# Altium PCB RGV_Control_1V21_unpoly.PcbDoc (part 2 of 5) (continued)
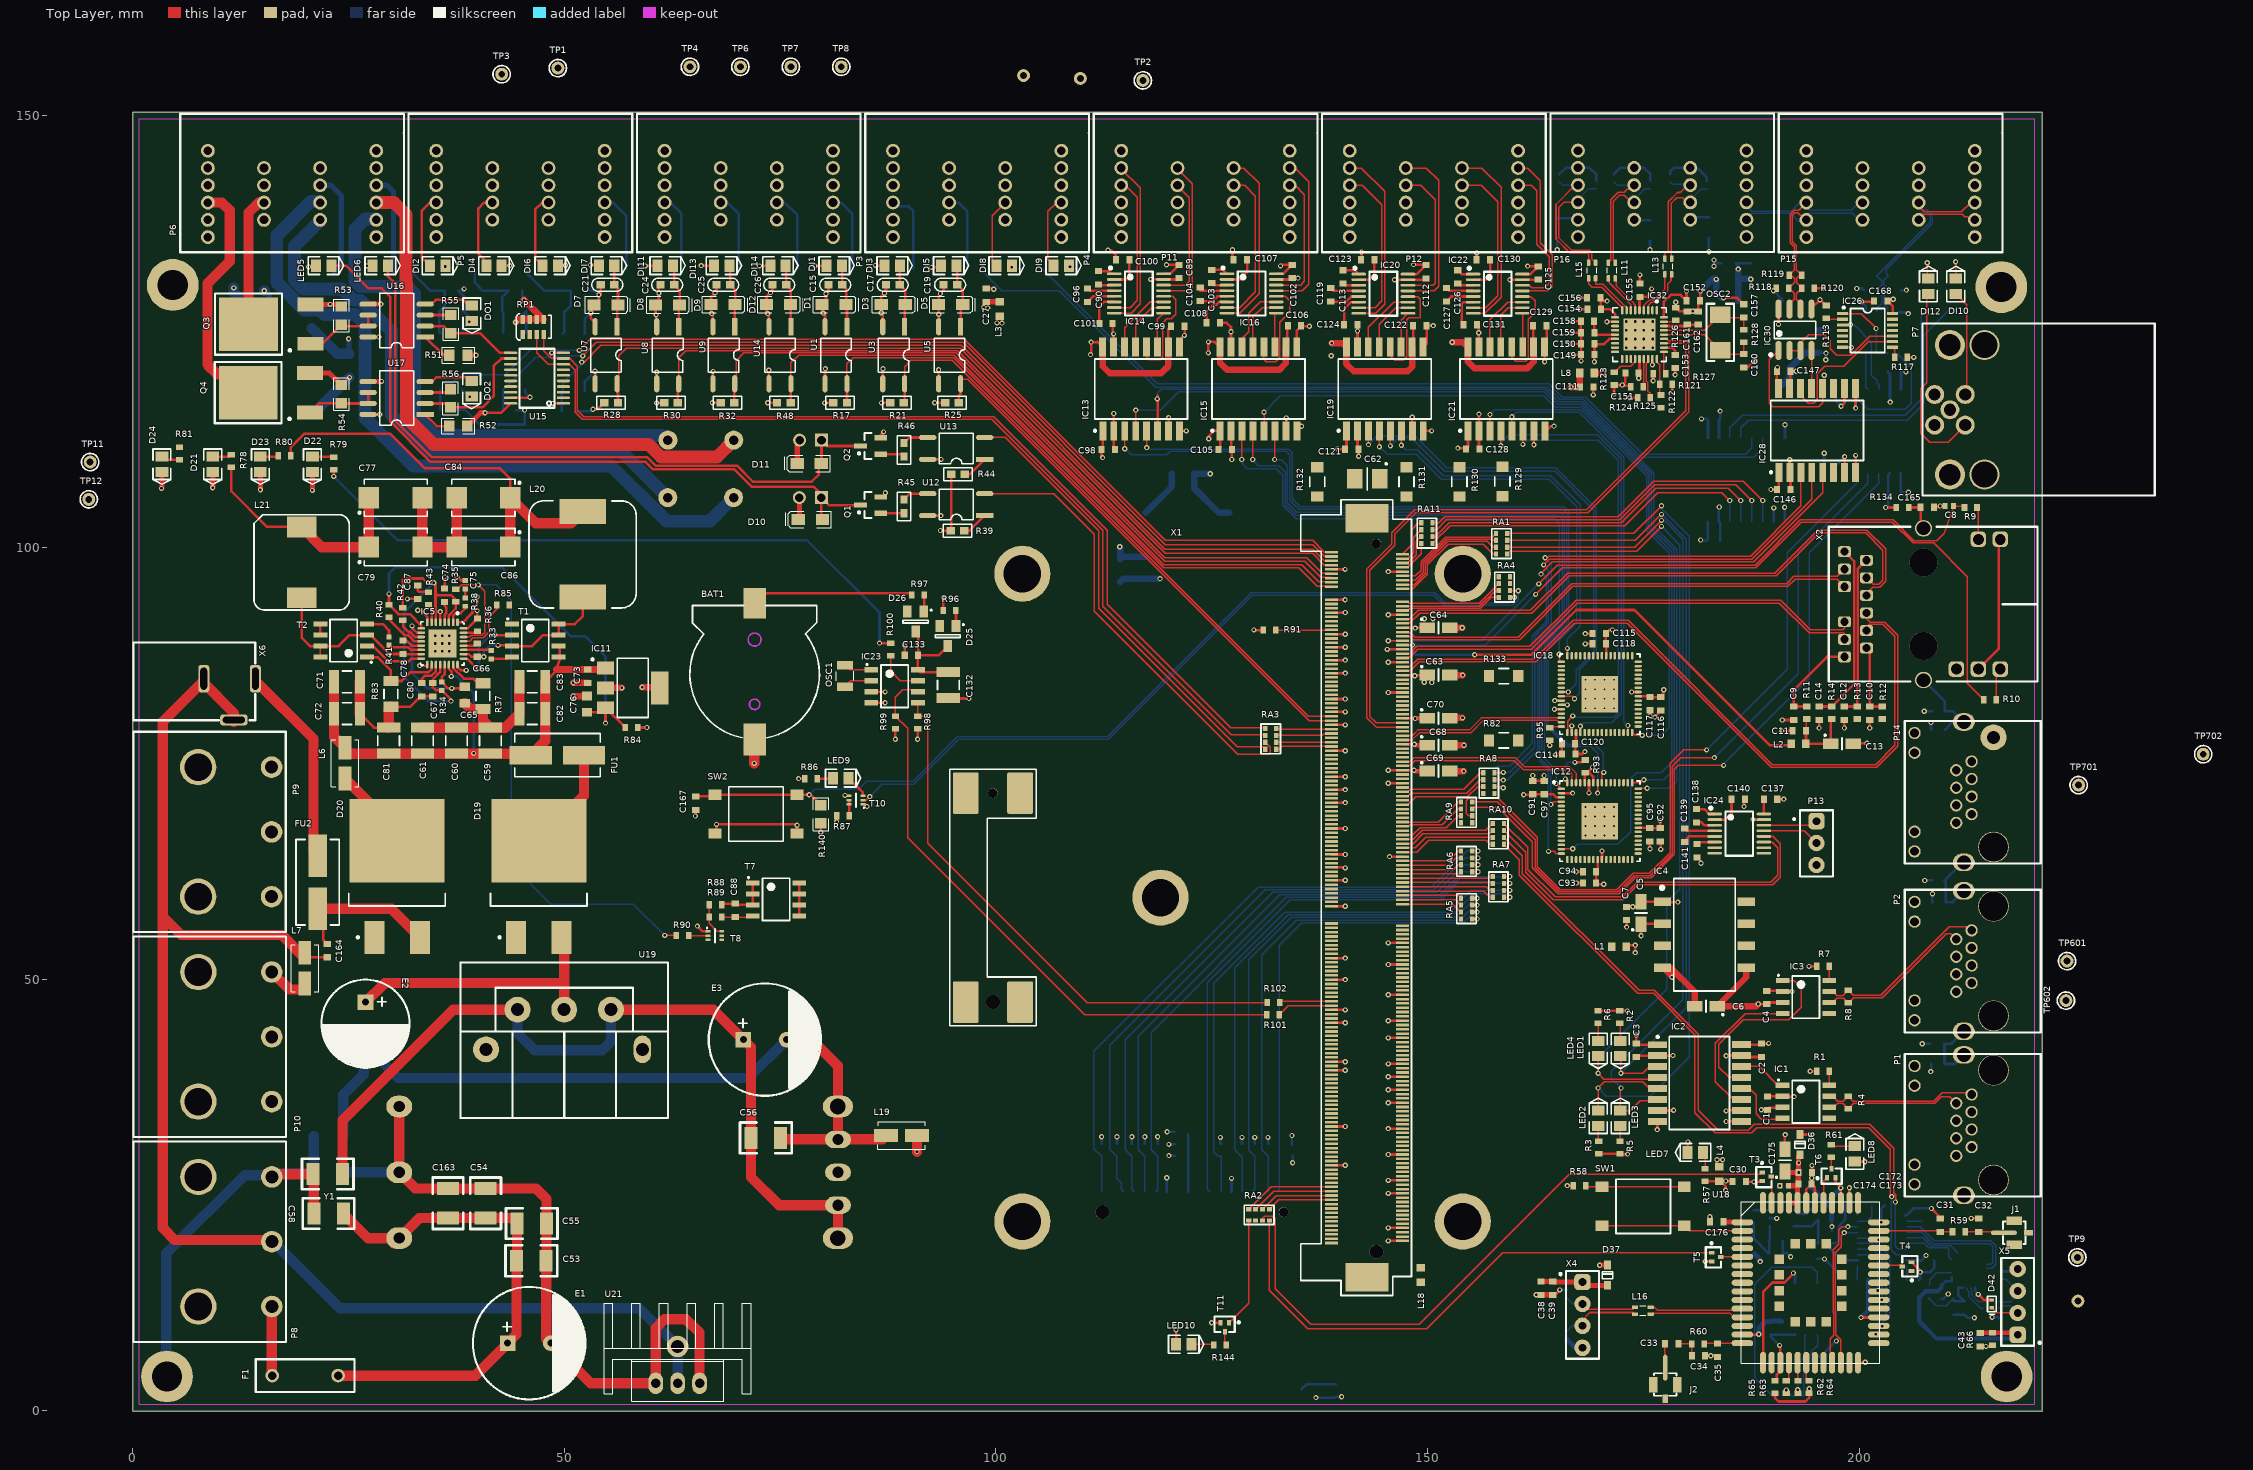
[diagram p0: Top Layer view]
## Part data (continued)
IC14 IC16 IC20 IC22 IC24: library part IC-MAXIM-MAX3232, "RS232"
IC23: library part IC-ST-M41T0M6, "RTC M41T0M6", Manufacturer Name=ST, Manufacturer Part No.=M41T0M6
IC25 IC28: library part IC-AD-ADuM1301ARW, "Digital Isolator", Manufacturer Name="Analog Devices", Manufacturer Part No.=ADuM1301ARW
IC26: library part IC-ST-M74HC02TTR, "Quad 2-Input NOR Gate", Manufacturer Name="ON Semiconductor", Manufacturer Part No.=MM74HC02
IC27 IC30: library part IC-AD-ADM3485EARZ, "ADM3485EARZ RS-485/RS-422 transceiver", Manufacturer Name="Analog Devices", Manufacturer Part No.=ADM3485EARZ
IC32: library part IC-SMSC-USB2514B-AEZC, "4 Port USB HUB", Manufacturer Name=SMSC, Manufacturer Part No.=USB2514B-AEZC
J1 J2: library part ANTENNA, "Generic Antenna"
L1 L2 L3 L4 L8 L9 L10 L17 L18: library part L-220R@100MHz-2A-25%-0603, "220R@100MHz 2A EMI FILTER", Rating=2A, Tolerance=25%
L5 L11 L13 L15 L16: library part L-Murata-DLW21SN900SQ2-90R@100MHz-330mA-25%, "Common Mode Choke High Speed 90R 330mA", Manufacturer Name=Murata, Manufacturer Part No.=DLW21SN900SQ2, Rating=330mA, Tolerance=25%
L6 L7 L19: library part L-Laird-35F0121-0SR-10-10A-25%, "Power Supply FB 10A", Rating=10A, Tolerance=25%
L20: library part L-Wurth-744771008-8.2uH-6.25A-20%, "Inductance 8.2uH 6.25A 20%", Manufacturer Name=Wurth, Manufacturer Part No.=744771008, Rating=6.25A, Tolerance=20%
L21: library part L-Wurth-7447797470-4.7uH-6.2A-20%, "Inductance 4.7uH 6.2A 20%", Manufacturer Name=Wurth, Manufacturer Part No.=7447797470, Rating=6.2A, Tolerance=20%
LED9: library part "LED-Osram-LS T670-K1L2-1", "LED red, Osram LS T670-K1L2-1", Color=RED, Manufacturer Name=Osram, Manufacturer Part No.="LS T670-K1L2-1"
OSC1: library part OSC-MC-CC4V-T1A-32.768KHz-30ppm-5x1.9mm, "Quartz 32.768kHz", Manufacturer Name="Micro Crystal", Tolerance=30ppm, Manufacturer Part No.=CC4V-T1A
OSC2: library part OSC-HORIZON-HEX24-24000MHz-18-50R-F-H2-T2-W2-T, "Quartz 24.0 MHz", Manufacturer Name=HORIZON, Tolerance=30ppm, Manufacturer Part No.=HEX24-24000MHz-18-50R-F-H2-T2-W2-T
P1 P2 P14: library part CON-TECon-8Header, "网口"
P3 P4: library part "Header 16H", "泰科4P端子", LatestRevisionDate=17-Jul-2002, LatestRevisionNote="Re-released for DXP Platform.", Publisher="Altium Limited"
P5 P6 P15 P16: library part "Header 16H", "泰科4p端子", LatestRevisionDate=17-Jul-2002, LatestRevisionNote="Re-released for DXP Platform.", Publisher="Altium Limited"
P7: library part "Header 4H", "泰科M8端子", LatestRevisionDate=17-Jul-2002, LatestRevisionNote="Re-released for DXP Platform.", Publisher="Altium Limited"
P8 P9 P10: library part "Header 3", "泰科电源端子座", LatestRevisionDate=17-Jul-2002, LatestRevisionNote="Re-released for DXP Platform.", Publisher="Altium Limited"
P11 P12: library part MHDR1X16, "泰科4P端子", LatestRevisionDate=17-Jul-2002, LatestRevisionNote="Re-released for DXP Platform.", Publisher="Altium Limited"
P13: library part "Header 3", "Header, 3-Pin", LatestRevisionDate=17-Jul-2002, LatestRevisionNote="Re-released for DXP Platform.", Publisher="Altium Limited"
Q1 Q2: library part NPN, "贴片三极管"
Q3 Q4: library part MOSFET-P1, "P-Channel MOSFET", LatestRevisionDate=17-Jul-2002, LatestRevisionNote="Re-released for DXP Platform.", PackageDescription="TO, Flat Index; 3 In-Line, Axial Leads; Body Dia. 4.6mm; Lead Dia. 0.5 mm (max)", PackageReference=E3, PackageVersion=1995/1996, Published=8-Jun-2000, Publisher="Altium Limited"
R1 R7 R11 R12 R13 R14 R36 R40 R59 R60 R74 R85 R90: library part R-0R-63mW-1%-0603, "Resistor 0 ohm 63mW 1% 0603", Rating=63mW, Tolerance=1%
R2 R3 R5 R6 R35 R42 R71 R87 R88 R89 R100 R113 R117 R121 R123 R124 R125 R127 R140: library part R-100KR-63mW-5%-0603, "Resistor 100 Kohm 63mW 5% 0603", Rating=63mW, Tolerance=5%
R4 R8: library part R-120R-250mW-5%-0603, "Resistor 120 ohm 250mW 5% 0603", Rating=250mW, Tolerance=5%
R9 R10: library part R-150R-63mW-1%-0603, "Resistor 150 ohm 63mW 1% 0603", Rating=63mW, Tolerance=1%
R15 R16 R19 R20 R23 R24 R27 R29 R31 R47 R49 R50 R51 R52 R53 R54 R55 R56: library part RES2, "贴片电阻"
R17 R18 R21 R22 R25 R26 R28 R30 R32 R39 R44 R45 R46 R48: library part RES, "贴片电阻"
R33 R34 R41: library part R-4.7R-63mW-5%-0402, "Resistor 4.7 ohm 63mW 5% 0402", Rating=63mW, Tolerance=5%
R37 R83: library part R-15mR-250mW-1%-1206, "Resistor 15 mohm 250mW 1% 1206", Rating=250mW, Tolerance=1%
R38: library part R-6.2KR-63mW-1%-0402, "Resistor 6.2 Kohm 63mW 1% 0402", Rating=63mW, Tolerance=1%
R43: library part R-10KR-63mW-1%-0603, "Resistor 10 Kohm 63mW 1% 0603", Rating=63mW, Tolerance=1%
R57 R78 R79 R86 R134 R135 R141 R142 R143: library part R-120R-63mW-5%-0603, "Resistor 120 ohm 63mW 5% 0603", Rating=63mW, Tolerance=5%
R58 R65 R75 R84 R112: library part R-10KR-63mW-5%-0603, "Resistor 10 Kohm 63mW 5% 0603", Rating=63mW, Tolerance=5%
R61 R81 R144: library part R-1KR-63mW-5%-0603, "Resistor 1 Kohm 63mW 5% 0603", Rating=63mW, Tolerance=5%
R62 R63 R64 R122: library part R-22R-63mW-5%-0603, "Resistor 22 ohm 63mW 5% 0603", Rating=63mW, Tolerance=5%
R66: library part R-47KR-63mW-5%-0603, "Resistor 47 Kohm 63mW 5% 0603", Rating=63mW, Tolerance=5%
R67 R68 R69 R70: library part R-51K-5%-0603, "Resistor 51K ohm  5% 0603", Rating=63mW, Tolerance=5%
R72 R91 R93 R95: library part R-4.7kR-63mW-5%-0603, "Resistor 4.7 Kohm 63mW 5% 0603", Rating=63mW, Tolerance=5%
R76: library part R-34KR-63mW-1%-0603, "Resistor 34 Kohm 63mW 1% 0603", Rating=63mW, Tolerance=1%
R77: library part R-63.4KR-1%-0603, "Resistor 63.4 Kohm  1% 0603", Rating=63mW, Tolerance=1%
R80: library part R-220R-63mW-5%-0603, "Resistor 220 ohm 63mW 5% 0603", Rating=63mW, Tolerance=5%
R82: library part R-0R-63mW-1%-1206, "Resistor 0 ohm 330mW 1% 1206", Rating=63mW, Tolerance=1%
R96: library part R-470R-63mW-5%-0603, "Resistor 470 ohm 63mW 5% 0603", Rating=63mW, Tolerance=5%
R97: library part R-10R-63mW-5%-0603, "Resistor 10 ohm 63mW 5% 0603", Rating=63mW, Tolerance=5%
R98 R99: library part R-1.8KR-63mW-5%-0603, "Resistor 1.8 Kohm 63mW 5% 0603", Rating=63mW, Tolerance=5%
R101 R102: library part R-22R-63mW-5%-0402, "Resistor 22 ohm 63mW 5% 0603", Rating=63mW, Tolerance=5%
R103: library part R-33KR-63mW-5%-0603, "Resistor 33 Kohm 63mW 5% 0603", Rating=63mW, Tolerance=5%
R104 R105 R106 R107 R108 R109 R110 R111: library part R-68KR-63mW-5%-0603, "Resistor 68 Kohm 63mW 5% 0603", Rating=63mW, Tolerance=5%
R114 R115 R116 R118 R119 R120: library part R-NA-63mW-0603, "Resistor NA 63mW  0603", Rating=63mW, Tolerance=1%
R126: library part R-12KR-63mW-1%-0603, "Resistor 12 Kohm 63mW 1% 0603", Rating=63mW, Tolerance=1%
R128: library part R-1MR-63mW-5%-0603, "Resistor 1Mohm 63mW 5% 0603", Rating=63mW, Tolerance=5%
R129 R130 R131 R132 R133: library part R-0R-63mW-1%-1206, "Resistor 0 ohm 63mW 1% 1206", Rating=63mW, Tolerance=1%
R136 R137 R138: library part R-2KR-500mW-5%-2010, "Resistor 2 Kohm 500mW 5% 2010", Rating=63mW, Tolerance=5%
R139: library part R-2KR-500mW-5%-2010, Rating=63mW, Tolerance=5%
RA1 RA2 RA3 RA4 RA5 RA6 RA7 RA8 RA9 RA10: library part RA-22R-63mW-5%-1206-div, "Resistor Array 22 R 63mW 5% 1206", Power Dissipation=63mW, Tolerance=5%
RA11: library part RA-22R-63mW-5%-1206-div, Power Dissipation=63mW, Tolerance=5%
RP1: library part RP_0.S4, "贴片排阻", Text Field1=20, Text Field2=50
SW1 SW2: library part SW-WMF-TD-03XB, "Push Button", Manufacturer Name=WMF, Rating=50mA, Manufacturer Part No.=TD-03XB
T1 T2: library part T-Fairchild-FDS6982AS-N, "N-Channel PowerTrench SyncFET", Manufacturer Name=Fairchild, Manufacturer Part No.=FDS6982AS
T3 T4 T5 T6 T11: library part NPN_Bias_Resistor, "Bias Resistor Build-in NPN Transistor"
T7: library part T-Diodes-DMP2022LSS-13-8-SOIC, "p-channel MOSFET, DMP2022LSS-13", Manufacturer Name=DIODES, Manufacturer Part No.=DMP2022LSS-13
T8 T10: "Dual N-Channel 20V (D-S)  MOSFET", Manufacturer Name=Vishay, Manufacturer Part No.=SI-1024-X
TP1 TP2 TP3 TP4 TP6 TP7 TP8 TP9 TP10 TP11 TP12 TP601 TP602 TP701 TP702 TP1101 TP1102: "Testpin TH"
U1 U2 U3 U4 U5 U6 U7 U8 U9 U12 U13 U14: library part OPTOISO1, "光耦"
U10 U11: library part CRH-1C-DC12V, "泰科继电器"
U16 U17: library part MOCD217
U19: library part MBR3045T, "插装肖特基二极管，加散热片"
U20: "嵌入式48-12V电源模块"
X1: "MXM3 Connector", Manufacturer Name=JAE, Manufacturer Part No.=MM70-314-310B1, No. of ways=314
X2: library part CON-BEL-L829-1J1T-43, "Low profile 10/100/1G Mag Jack", Manufacturer Name=BEL, Manufacturer Part No.=L829-1J1T-43
X3: "NB-IOT CARD"
X4 X5: "USB  Connector", Manufacturer Name=FCI, Manufacturer Part No.=73725-0110BLF, No. of ways=4
X6: library part CON-SWC-RAPC722X, "Power Jack", Manufacturer Name=SWC, Manufacturer Part No.=RAPC722X
X7: library part CON-Amphenol-101-00565-64, "SD/MMC 8bit Card Holder", Manufacturer Name=Amphenol, Manufacturer Part No.=101-00565-64, No. of ways=13+2

## Free pads (board coordinates)
  round 6 hole 3.5: ""(4.013,3.988) ""(4.686,130.396) ""(216.42,130.142) ""(217.043,3.988)

## Via types
v1: diameter 0.6, hole 0.3, Top Layer to Bottom Layer, 533 vias
v2: diameter 0.5, hole 0.2, Top Layer to Bottom Layer, 32 vias
v3: diameter 0.6, hole 0.3, Top Layer to Bottom Layer, tented bottom, 25 vias

## Nets (pads, with @x,y where several pads share a name; then routed paths per layer and width w, separated by ;. In a path a pad name is that pad's centre, name@x,y a point inside that pad or via, vN(x,y) a via of type N, cw(c..) or ccw(c..) an arc to the next point about the centre after c; other vN are vias at no path point)
3.3V: C77.1 C79.1 C88.2 IC5.8 L21.2 R78.1 R82.1 R86.2 R87.2 R88.1 R129.1 R130.1 R131.1 R132.1 R133.1 R140.2 T7.1 T7.2 T7.3 TP6.1 | length 37.8
  Top Layer w0.3: R78.1@11.455,109.257 11.455,106.52 15.602,102.373 L21.2@19.609,102.373 ; v1(33.048,92.71) 33.401,92.71 34.155,91.956 IC5.8@34.155,91.325 ; R88.1@68.275,58.604 68.415,58.744 C88.2@69.799,58.744 69.939,58.604 T7.3@71.838,58.604 T7.2@71.838,59.874 T7.1@71.838,61.144 ; v1(77.15,73.226) R86.2@77.846,73.226 ; v1(79.725,67) R140.2@79.725,68.05 ; v1(81.55,68.225) 81.554,68.229 R87.2@81.554,68.933
  Top Layer w1.2: L21.2@19.609,102.373 21.956,100.025 C79.1@27.393,100.025 C77.1@27.393,105.742
3.3V_APALIS: C62.1 C63.1 C64.1 C68.1 C69.1 C70.1 R82.2 R129.2 R130.2 R131.2 R132.2 R133.2 X1.10 X1.30 X1.36 X1.52 X1.58 X1.66 X1.78 X1.90 X1.102 X1.108 X1.314 X1.320 | length 27.7
  Top Layer w0.3: v1@145.319,86.696 X1.52@147.062,86.696 ; v1@145.386,72.696 X1.108@147.062,72.696 ; v1@145.412,74.196 v1(145.428,74.196) X1.102@147.062,74.196 v1(148.41,74.196) ; v1@145.421,92.196 X1.30@147.062,92.196 ; v1(145.427,21.196) X1.314@147.062,21.196 ; v1(145.431,97.196) X1.10@147.062,97.196 ; v1@145.502,83.196 X1.66@147.062,83.196 ; v1@145.531,19.696 X1.320@147.062,19.696 ; X1.90@147.062,77.196 v1(148.458,77.196) ; X1.78@147.062,80.196 v1@148.531,80.196 ; X1.58@147.062,85.196 C63.1@149.936,85.196 ; X1.36@147.062,90.696 C64.1@149.95,90.696
  Top Layer w0.5: v1(148.41,74.196) 148.514,74.092 C69.1@149.957,74.092 ; v1(148.458,77.196) 148.565,77.089 C68.1@149.957,77.089 ; v1@148.531,80.196 v1(148.539,80.188) 148.565,80.213 C70.1@149.957,80.213 ; C63.1@149.936,85.196 C63.1@149.957,85.217 ; C64.1@149.95,90.696 C64.1@149.957,90.703
  other v1: 145.427,19.696 145.428,72.696 145.428,83.196 150.475,84.35 149.606,84.375 148.502,85.141 145.428,86.696 148.565,90.653 149.606,91.745 150.597,91.745 145.431,92.196
3.3V_CAN: C3.2 C5.1 C7.2 IC2.1 IC2.7 IC4.2 L1.2 R2.2 R3.2 R5.1 R6.1 | length 18.8
  Top Layer w0.3: R6.1@169.725,46.325 R2.2@172.25,46.325 v1(173.125,46.325) ; R3.2@169.8,29.8 172.25,29.8 R5.1@172.275,29.775 172.3,29.75 v1(173.15,29.75) ; L1.2@172.965,53.75 173.165,53.95 v1(174.025,53.95) v1(174.025,53.075) ; v1(173.025,56.025) C7.2@173.025,56.833 ; v1(174.15,43.525) 174.142,43.517 C3.2@174.142,42.534 174.267,42.409 IC2.1@176.608,42.409 ; v1(174.71,55.025) 174.701,55.034 C5.1@174.701,56.364 174.752,56.414 IC4.2@177.192,56.414 ; IC2.7@176.608,34.789 178.439,34.789 v1(178.475,34.825)
3.3V_MMC: C134.2 C135.2 L9.1 X7.9 | length 6.6
  Bottom Layer w0.3: X7.9@122.287,25.4 122.287,30.875 L9.1@122.287,32.028
3.3V_NB: C30.2 C45.2 C172.2 C173.2 C174.2 C175.1 C176.1 D36.1 IC9.19 L4.2 LED8.A R57.1 U18.1 U18.50 U18.51 | length 22
  Top Layer w0.3: R57.1@182.118,26.605 184.505,26.605 v1(184.525,26.625) ; v1(184.5,25.55) 184.5,26.039 183.914,26.625 v1(184.525,26.625) ; C30.2@185.305,26.568 185.249,26.625 v1(184.525,26.625) ; LED8.A@199.466,28.879 199.495,28.85 v1(200.625,28.85) ; v1(184.525,26.625) 183.778,26.625 L4.2@183.769,26.616 184.516,26.616 v1(184.525,26.625)
  Top Layer w0.6: C176.1@184.239,21.895 186.39,21.895 U18.1@186.435,21.85 ; C175.1@191.364,27.732 191.486,27.61 v1(192.951,27.61) ; C174.2@191.752,26.086 192.709,26.086 C173.2@192.835,26.211 ; U18.51@191.835,24.1 U18.50@192.835,24.1 C173.2@192.835,26.211 ; D36.1@193.116,29.656 192.951,29.49 v1(192.951,28.725) v1(192.951,27.61) ; C173.2@192.835,26.211 C173.2@192.912,26.289 192.912,27.571 v1(192.951,27.61)
  Bottom Layer w0.3: IC9.19@205.466,17.443 207.029,17.443 C45.2@207.099,17.374 207.7,17.975 v1(207.7,18)
3.3V_RS232: C91.2 C92.2 C93.2 C94.2 C95.2 C97.2 C98.2 C105.2 C109.1 C111.2 C114.2 C115.2 C116.2 C117.2 C118.2 C120.2 C121.2 C128.2 IC12.3 IC12.24 IC12.39 IC12.58 IC12.60 IC13.1 IC13.7 IC15.1 IC15.7 IC17.2 IC18.3 IC18.24 IC18.39 IC18.58 IC18.60 IC19.1 IC19.7 IC21.1 IC21.7 L8.2 R93.2 R95.2 | length 56.1
  Top Layer w0.3: v1(112.35,110.4) 112.23,110.52 C98.2@112.23,111.328 112.38,111.478 IC13.1@112.38,113.489 ; IC13.7@120,113.489 v1(120,115.03) ; v1(124.65,112.575) 124.65,112.925 125.214,113.489 IC15.1@125.969,113.489 125.969,111.529 C105.2@125.768,111.328 ; IC15.7@133.589,113.489 133.625,113.525 v1(133.625,115) ; v1(139.546,111.379) C121.2@140.449,111.379 140.599,111.529 IC19.1@140.599,113.489 ; IC19.7@148.219,113.489 v1(148.219,115.069) ; v1(153.5,111.5) 154.325,111.5 C128.2@154.425,111.4 154.671,111.646 IC21.1@154.671,113.489 ; v1(161.1,71.35) 162.091,71.35 C91.2@162.154,71.412 C97.2@163.5,71.412 164.539,71.412 164.901,71.051 IC12.3@165.476,71.051 ; v1(162.291,111.884) IC21.7@162.291,113.489 ; v1(164.125,77.075) 164.15,77.1 R95.2@164.15,77.675 ; v1(164.675,81.25) 165.469,81.25 IC18.60@165.476,81.257 ; v1(164.707,82.257) IC18.58@165.476,82.257 ; IC18.3@167.176,78.557 167.176,77.376 C120.2@167.075,77.275 167.075,76.1 C114.2@167.1,76.075 167.925,76.075 v1(168.2,76.35) ; IC12.60@168.176,72.751 168.176,74.078 R93.2@168.199,74.078 ; R93.2@168.25,73.925 R93.2@168.476,73.925 ; v1(169.075,74.524) R93.2@168.476,73.925 ; IC12.58@169.176,72.751 169.176,73.426 168.677,73.925 R93.2@168.476,73.925 ; IC12.24@169.676,63.851 169.676,62.602 C94.2@169.507,62.433 C93.2@169.507,61.189 ; v1(170.375,61) 169.696,61 C93.2@169.533,61.163 ; IC18.39@170.676,87.457 170.676,88.776 C118.2@170.625,88.827 C115.2@170.625,90.021 171.05,90.446 v1(171.4,90.446) ; IC12.39@174.376,67.551 175.693,67.551 C95.2@175.743,67.501 ; IC18.24@174.376,82.757 175.675,82.757 C117.2@175.743,82.69 175.768,82.665 C116.2@176.987,82.665 176.9,82.752 177.333,83.185 v1(177.333,83.525) ; C95.2@175.696,67.496 C92.2@176.941,67.496 176.941,68.334 v1(176.9,68.375) ; C93.2@169.507,61.189 C93.2@169.533,61.163 ; C93.2@169.507,61.189 C93.2@169.507,61.138 C93.2@169.533,61.163
  Top Layer w0.75: v1(166.583,118.567) C111.2@167.627,118.567 167.613,118.581 L8.2@167.613,120.193
  Bottom Layer w0.75: v1(114.35,100.075) 114.383,100.042 C109.1@114.383,98.621 114.692,98.93 IC17.2@117.325,98.93
3.3V_SW: C149.2 C150.2 C151.2 C152.2 C153.2 C154.2 C155.2 C156.2 IC32.5 IC32.10 IC32.15 IC32.23 IC32.29 IC32.36 L1.1 L3.1 L4.1 L8.1 L9.2 L10.1 LED10.A R79.1 R91.1 R96.2 R98.2 R99.2 R100.2 R103.2 R104.2 R105.2 R106.2 R107.2 R108.2 R109.2 R110.2 R111.2 R112.2 T7.5 T7.6 T7.7 T7.8 TP7.1 X2.14 X2.16 | length 139.7
  Top Layer w0.3: v1(23.325,108.225) 23.343,108.243 R79.1@23.343,108.978 ; T7.5@77.238,57.334 T7.6@77.238,58.604 T7.7@77.238,59.874 T7.8@77.238,61.144 ; v1(86.524,88.914) R100.2@87.808,88.914 ; v1(88.367,77.775) R99.2@88.367,79.006 ; v1@90.932,77.902 R98.2@90.932,79.006 ; R96.2@93.915,92.685 v1(93.915,94.197) ; v1(100.125,126) 100.15,125.975 v1(100.7,125.975) 100.7,126.497 L3.1@100.452,126.745 ; v1(120.85,9.4) 120.87,9.38 LED10.A@120.87,7.725 ; v1(129.875,90.446) 129.896,90.425 R91.1@130.975,90.425 ; v1(169.3,121.496) 169.3,122.31 C149.2@169.316,122.326 C150.2@169.316,123.571 169.363,123.524 170.429,123.524 171.041,124.136 IC32.15@171.7,124.136 ; C156.2@170.015,128.905 C156.2@170.041,128.88 ; v1(170.775,128.524) 170.397,128.524 C156.2@170.041,128.88 ; IC32.10@171.7,126.636 171.7,127.009 171.125,127.584 C154.2@170.041,127.584 C156.2@170.041,128.88 ; v1(174.435,119.59) C151.2@174.435,120.193 174.525,120.283 IC32.23@174.525,121.811 ; IC32.5@174.525,127.461 174.525,129.068 C155.2@174.574,129.019 175.41,129.019 175.925,129.534 v1(175.925,129.925) ; IC32.29@177.35,123.136 178.289,123.136 178.65,122.775 C153.2@178.65,122.3 ; IC32.36@177.35,126.636 177.35,128.45 178.146,129.246 179.275,129.246 C152.2@179.971,128.549 v1(179.971,129.675) ; L4.1@183.769,28.296 183.5,28.565 v1(183.5,29.1) v1(184.15,29.1) ; X2.16@213.757,85.903 216.103,88.249 216.103,100.745 X2.14@216.297,100.94
  Top Layer w0.75: L8.1@169.293,120.193 v1(170.293,120.193)
  Bottom Layer w0.3: v1(23.325,108.225) 30.725,100.825 78.15,100.825 86.524,92.451 v1(86.524,88.914) ; R109.2@112.243,30.926 v1(112.243,31.75) ; R108.2@114.021,30.926 v1(114.021,31.75) ; R107.2@115.748,30.926 115.75,30.928 v1@115.75,31.6 ; R103.2@117.221,30.926 117.25,30.955 v1@117.25,31.7 ; R106.2@118.72,30.926 118.72,31.742 118.725,31.747 v1(118.725,31.75) ; v1(119.825,32.325) L9.2@120.635,32.325 ; v1(126,31.675) 126,31.011 R105.2@126.086,30.926 ; R104.2@128.5,30.925 v1(128.5,31.675) ; R111.2@129.972,30.926 129.972,31.672 v1(129.975,31.675) v1@129.975,31.745 ; R110.2@131.521,30.926 v1@131.521,31.675 ; R112.2@134.275,30.85 v1(134.275,31.9) ; v1(183.15,132.55) v1(183.15,133.275) 183.543,132.882 L10.1@184.001,132.882
  other v1: 131.5,31.675 115.75,31.75 117.25,31.75 90.932,77.775
3.3V_SW_EN: R90.1 T8.2 | length 2.3
  Top Layer w0.15: R90.1@64.428,55.151 64.53,55.048 T8.2@66.676,55.048
3.3V_SW_EN#: C88.1 R89.1 T7.4 | length 3.7
  Top Layer w0.15: R89.1@68.238,57.207 68.251,57.194 C88.1@69.799,57.194 71.698,57.194 T7.4@71.838,57.334
3.3V_SW_EN_R#: R88.2 R89.2 T8.6 | length 4
  Top Layer w0.15: R88.2@66.825,58.604 66.825,57.244 R89.2@66.788,57.207 66.788,56.46 67.699,55.548 T8.6@68.256,55.548
3.3V_UART: C22.2 C137.2 C142.2 C144.1 C146.2 C148.2 IC6.10 IC6.16 IC24.16 IC25.1 IC25.7 IC28.1 IC28.7 IC31.2 L10.2 | length 24
  Top Layer w0.3: C137.2@188.925,70.85 188.93,70.845 IC24.16@188.93,69.128 ; v1(189.745,106.705) C146.2@190.462,106.705 190.662,106.906 IC28.1@190.662,108.688 ; v1(198.275,110.5) 198.282,110.493 IC28.7@198.282,108.688
  Bottom Layer w0.3: v1(181.6,100.85) 181.663,100.787 C22.2@182.308,100.787 182.438,100.917 IC6.16@182.438,102.973 ; v1(185.958,132.225) 185.958,132.605 L10.2@185.681,132.882 185.706,132.907 C148.2@187.393,132.907 ; IC6.10@190.058,102.973 190.058,104.555 v1(190.078,104.575) ; IC25.7@197.16,108.588 197.16,109.385 v1(198.275,110.5) ; IC25.1@204.78,108.588 204.78,106.459 C142.2@204.864,106.375 v1(205.675,106.375)
  Bottom Layer w0.75: IC31.2@185.953,128.497 185.958,128.502 C144.1@185.958,131.089 ; v1(185.958,132.225) C144.1@185.958,131.089 ; v1(187.4,131.05) 187.361,131.089 C144.1@185.958,131.089
3V3: C27.2 L3.2 R17.2 R18.2 R21.2 R22.2 R25.2 R26.2 R28.2 R30.2 R32.2 R48.2 | length 24.3
  Top Layer w0.3: v1(53.35,116) 53.922,116 R28.2@54.661,116.738 ; v1(60.725,116.725) 60.738,116.738 R30.2@61.595,116.738 ; v1(67.175,116.738) R32.2@68.123,116.738 ; v1(73.575,116.75) 73.587,116.738 R48.2@74.651,116.738 ; v1(80.175,116.725) 80.188,116.738 R17.2@81.178,116.738 ; v1(86.75,116.725) 86.763,116.738 R21.2@87.757,116.738 ; v1(92.9,116.75) 92.912,116.738 R25.2@94.132,116.738 ; C27.2@98.877,128.435 98.575,128.133 v1(98.575,127.775) 98.625,127.725 v1(99.075,127.725)
  Top Layer w0.6: C27.2@98.877,128.435 100.441,128.435 L3.2@100.452,128.425
  Bottom Layer w0.3: R18.2@37.237,115.937 38.513,115.937 40.225,114.225 45.425,114.225 v1(45.425,115.9) 45.411,115.886 R22.2@44.477,115.886 ; R26.2@51.32,115.786 53.136,115.786 v1(53.35,116)
5V_PGOOD: IC5.30 R35.1 R90.2 | length 69.2
  Top Layer w0.15: R35.1@37.617,95.315 R35.1@37.44,95.137 37.623,95.137 38.142,95.655 v1(40.079,95.655) 40.792,94.942 40.792,90.134 40.458,89.8 39.23,89.8 39.055,89.625 IC5.30@38.355,89.625 ; v1(61.645,55.071) 62.956,55.071 R90.2@62.978,55.049
  Bottom Layer w0.15: v1(40.079,95.655) 42.114,95.655 43.866,93.904 43.866,63.297 48.467,58.696 58.02,58.696 v1(61.645,55.071)
5V_SW: C28.1 C84.1 C86.1 D33.1 D34.1 D35.1 IC5.1 IC7.2 L17.2 L20.2 P16.5 P16.9 P16.13 R39.1 R44.1 R51.1 R52.1 R80.1 TP8.1 U15.20 | length 79.3
  Top Layer w0.3: R80.1@18.353,110.592 18.353,111.603 19.925,113.175 29.845,113.175 33.87,109.15 42.6,109.15 43.753,107.997 C84.1@43.753,105.742 ; IC5.1@37.655,91.325 38.278,91.325 39.237,92.284 39.394,92.441 39.379,92.457 39.379,92.912 39.929,93.462 v1(39.929,94.285) ; v1(40.856,115.6) 42.739,115.6 U15.20@43.813,116.674 ; v1(93.575,101.95) 93.595,101.93 R39.1@94.767,101.93 94.813,101.975 R44.1@94.813,108.475
  Top Layer w0.6: R52.1@38.794,114.046 40.348,115.6 v1(40.856,115.6) ; R51.1@38.82,122.25 v1(39.8,122.25)
  Top Layer w1.2: C86.1@43.753,100.025 C84.1@43.753,105.742 46.701,102.794 50.803,102.794 L20.2@52.146,104.137
  Bottom Layer w0.3: D33.1@164.998,138.111 166.922,138.111 P16.13@167.085,137.948 ; P16.9@173.585,137.948 173.676,137.857 D34.1@175.743,137.857 ; P16.5@179.994,137.857 180.367,138.23 D35.1@182.525,138.23
  Bottom Layer w0.6: v1(15.275,129.725) 15.85,129.15 C28.1@15.85,128.025 15.709,127.884 IC7.2@15.709,125.382 ; L17.2@187.876,18.159 188.5,17.535 v1(188.5,17.3)
  Bottom Layer w1.2: v1(15.275,129.725) v1@15.35,129.725
12G_ISO: C29.2 IC7.4 TP12.1 U16.5 U17.5 | length 10.3
  Top Layer w0.6: U17.5@27.307,119.202 28.827,119.202 v1(28.85,119.225) ; U16.5@27.307,128.168 v1(28.775,128.168)
  Bottom Layer w0.6: v1(25.05,124.15) 25.107,124.093 C29.2@25.107,122.421
  Bottom Layer w1.2: IC7.4@20.789,125.382 23.75,122.421 C29.2@25.107,122.421
12V_IN: FU2.1 X6.1 | length 23.3
  Top Layer w1.2: X6.1@14.24,84.582 20.98,77.842 20.98,64.772 FU2.1@21.463,64.289
12V_ISO: C29.1 IC7.5 Q3.3 Q4.3 R53.1 R54.1 TP11.1 U16.8 U17.8 | length 19.5
  Top Layer w0.3: R54.1@24.206,118.416 R54.1@24.206,118.804 25.077,119.675 v1(25.15,119.675) ; R53.1@24.206,127.459 R53.1@24.206,127.898 ; U17.8@26.608,115.392 U17.8@27.307,115.392 27.309,115.39 v1(28.65,115.39) ; U16.8@27.099,124.358 U16.8@27.307,124.358 v1(28.55,124.358)
  Top Layer w0.6: Q4.3@20.591,120.207 22.803,120.207 R54.1@24.206,118.804 ; Q3.3@20.633,128.142 v1(22.9,128.142) 23.962,128.142 R53.1@24.206,127.898
  Bottom Layer w1.2: IC7.5@20.789,115.682 21.157,115.682 v1(25.15,119.675)
48V_IN: F1.1 P8.3 | length 8.2
  Top Layer w1.2: P8.3@16.145,12.294 16.145,4.149 F1.1@16.205,4.089
A1: IC30.6 P15.9 P15.13 P16.1 R119.1 R120.2 | length 29
  Top Layer w0.15: IC30.6@193.167,127.597 193.167,128.267 192.675,128.759 192.675,129.367 R120.2@193.331,130.023 192.725,130.629 192.725,131.175 193.071,131.521 R119.1@193.308,131.521 192.7,132.129 192.7,134.929 192.225,135.404 192.225,138.471 192.529,138.775 192.85,138.775 193.421,138.204 P15.13@193.421,137.923
  Bottom Layer w0.15: P16.1@186.611,137.923 186.585,137.948 186.798,137.948 187.55,138.7 191.975,138.7 192.9,137.775 193.273,137.775 193.421,137.923 194.173,138.675 199.169,138.675 P15.9@199.921,137.923
A2: IC27.6 P14.1 P14.5 P15.1 P15.5 R115.1 R116.2 | length 24.3
  Top Layer w0.15: P15.5@206.347,137.997 206.625,138.275 207.025,138.275 207.35,138.6 211.904,138.6 212.214,138.289 212.555,138.289 P15.1@212.921,137.923
  Bottom Layer w0.15: R115.1@201.891,131.445 R115.1@201.995,131.445 ; IC27.6@201.995,127.2 201.995,127.67 202.55,128.225 202.55,129.174 202.477,129.247 R116.2@201.93,129.794 202.575,130.439 202.575,130.865 R115.1@201.995,131.445 ; P15.5@206.421,137.923 207.348,138.85 207.725,138.85 208.175,138.4 208.175,137.625 R115.1@201.995,131.445
AGND: L18.1 X1.303 X1.304 X1.308 X1.313
B1: IC30.7 P15.10 P15.14 P16.2 R118.1 R119.2 | length 30.4
  Top Layer w0.15: IC30.7@191.897,127.597 191.897,128.197 192.425,128.725 192.425,129.421 R118.1@191.823,130.023 192.475,130.675 192.475,131.125 192.079,131.521 R119.2@191.858,131.521 192.45,132.113 192.45,134.825 191.975,135.3 191.975,138.575 192.45,139.05 192.975,139.05 193.421,139.496 P15.14@193.421,139.923
  Bottom Layer w0.15: P16.2@186.585,139.948 187.584,138.95 192.1,138.95 193.073,139.923 P15.14@193.409,139.923 ; P15.14@193.746,139.273 193.411,139.918 P15.14@193.409,139.923 ; P15.10@199.921,139.923 199.023,139.025 194.319,139.025 193.421,139.923 P15.14@193.409,139.923
B2: IC27.7 P14.2 P14.4 P15.2 P15.6 R114.1 R115.2 | length 24.6
  Top Layer w0.15: P15.6@206.421,139.923 207.494,138.85 211.8,138.85 212.873,139.923 P15.2@212.921,139.923
  Bottom Layer w0.15: IC27.7@203.265,127.2 203.265,127.76 202.8,128.225 202.8,129.216 R114.1@203.378,129.794 203.131,129.794 203.131,130.129 202.825,130.435 202.825,130.929 R115.2@203.341,131.445 203.125,131.661 203.125,132.2 208.425,137.5 208.425,138.55 207.856,139.119 207.225,139.119 P15.6@206.421,139.923
BC20_DEBUG_CON_N: D42.2 L5.4 X5.2 | length 5.9
  Top Layer w0.18: D42.2@215.325,11.95 215.921,11.354 X5.2@218.313,11.354
  Bottom Layer w0.18: L5.4@216.089,11.868 216.396,12.175 217.492,12.175 X5.2@218.313,11.354
BC20_DEBUG_CON_P: D41.2 L5.3 X5.3 | length 5.5
  Bottom Layer w0.18: L5.3@216.089,12.668 217.543,12.668 218.313,13.438 X5.3@218.313,13.894 216.96,15.247 D41.2@216.383,15.247
BC20_DEBUG_N: IC8.4 L5.1 | length 3.3
  Bottom Layer w0.18: IC8.4@212.424,14.256 212.424,14.079 212.675,13.829 212.675,13.225 214.032,11.868 L5.1@214.289,11.868
BC20_DEBUG_P: IC8.3 L5.2 | length 2.5
  Bottom Layer w0.18: IC8.3@212.924,14.256 212.924,14.067 213.02,13.971 213.02,13.405 213.757,12.668 L5.2@214.289,12.668
BC20_RXD: IC9.18 RA10.8 | length 79.9
  Top Layer w0.15: RA10.8@158.831,65.621 160.625,63.827 160.625,62.05 174.325,48.35 176.15,48.35 180.925,43.575 180.925,34.55 183.279,32.196 187.496,32.196 188.075,32.775 201.085,32.775 203.575,30.285 203.575,24.975 v1(203.725,24.825)
  Bottom Layer w0.15: v1(203.725,24.825) 203.682,24.782 203.682,18.668 204.257,18.093 IC9.18@205.466,18.093
BC20_TXD: IC9.17 RA10.7 | length 79.8
  Top Layer w0.15: RA10.7@158.831,66.421 160.975,64.277 160.975,62.225 174.504,48.696 176.235,48.696 181.331,43.6 181.331,34.84 183.646,32.525 187.125,32.525 187.796,33.196 201.179,33.196 203.95,30.425 203.95,25.272 204.2,25.022 204.2,24.243 v1(204.157,24.2)
  Bottom Layer w0.15: v1(204.157,24.2) 204.157,19.068 204.482,18.743 IC9.17@205.466,18.743